# Altium PCB LoRaBoard1_2.PcbDoc (part 2 of 2)
Units mm, origin at the board's own origin, x right, y up, seen from the top; angles counter-clockwise.
Board outline 66.5 x 92 mm, 2 copper layers (Top Layer, Bottom Layer), stack 1.56 mm thick; 125 components, 104 nets, 452 pads, 339 vias.
Unrouted connection lines stored in the file: 86.
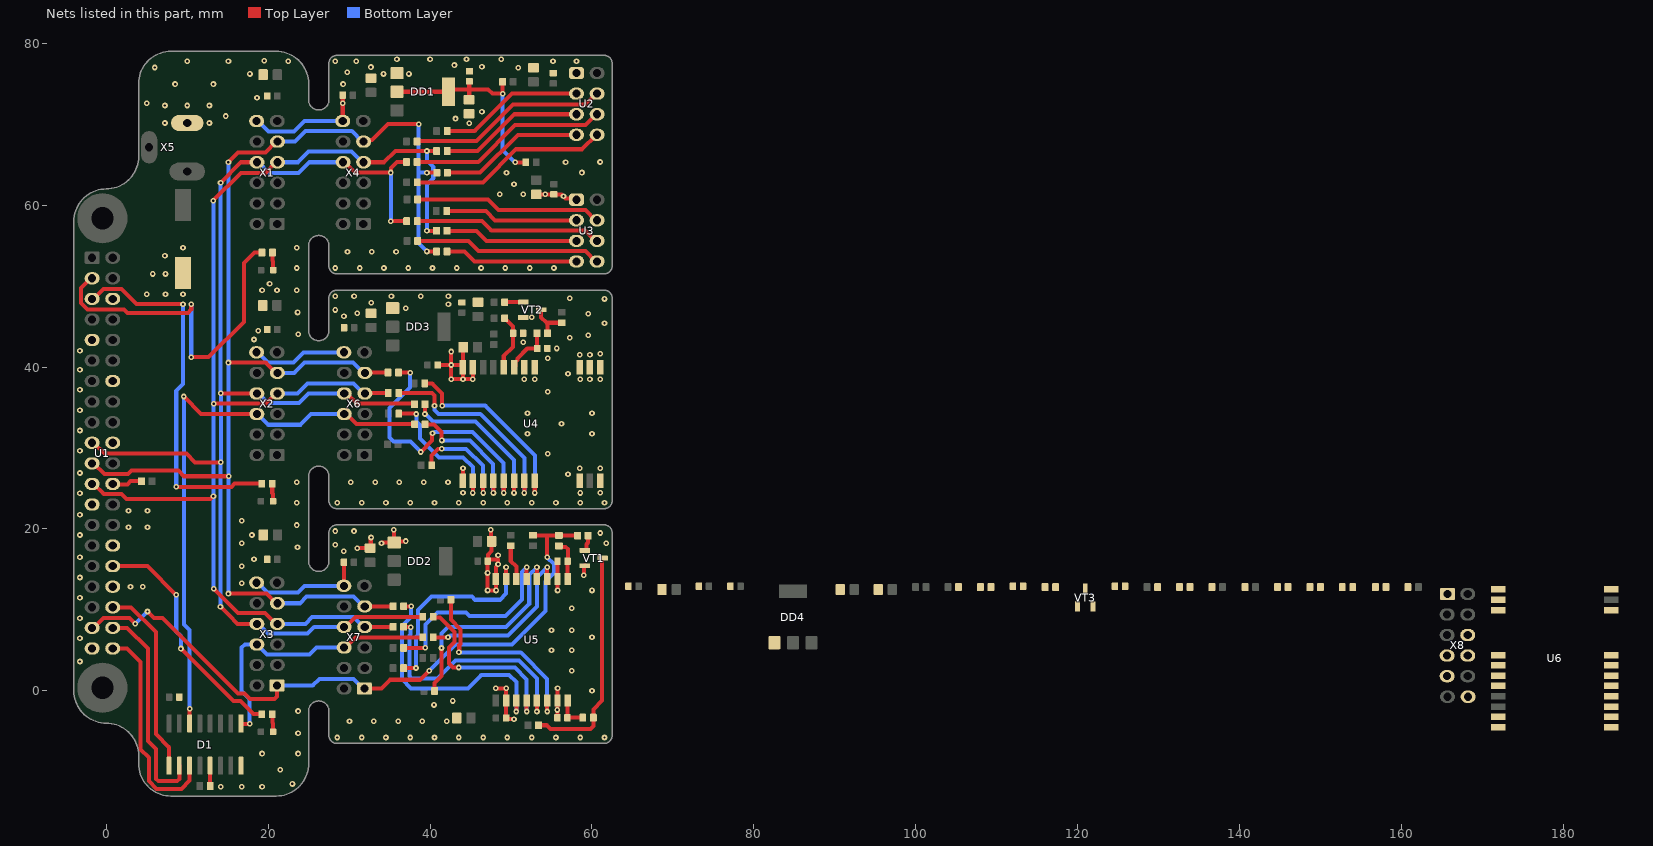
[diagram p2: the nets of this part, all layers, seen from the top]

## Via types
v1: diameter 0.7, hole 0.3, Top Layer to Bottom Layer, tented both sides, 339 vias

## Nets (pads, with @x,y where several pads share a name; then routed paths per layer and width w, separated by ;. In a path a pad name is that pad's centre, name@x,y a point inside that pad or via, vN(x,y) a via of type N, cw(c..) or ccw(c..) an arc to the next point about the centre after c; other vN are vias at no path point) (continued)
EN_TX_4: R38.1 R41.1 R42.2 U1.37 X3.1 X7.1 | length 83.8
  Top Layer w0.5: U1.37@-1.74,7.78 -1.565,7.78 -0.365,8.98 2.866,8.98 3.546,8.3 v1(3.6,8.3) ; v1(5.1,9.8) 5.9,9 6.954,9 16.297,-0.342 17.052,-0.342 17.738,-1.028 20.761,-1.028 21.11,-0.679 X3.1@21.11,0.657 ; X7.1@31.891,0.273 33.977,0.273 35.071,1.367 38.783,1.367 v1(39.916,2.5) ; R42.2@52.716,19.223 52.728,19.211 54.471,19.211 ; v1(54.471,16.5) 54.471,19.211 ; R38.1@58.216,19.173 58.203,19.186 55.928,19.186 R41.1@55.916,19.198 55.903,19.211 54.471,19.211
  Bottom Layer w0.5: v1(3.6,8.3) v1(5.1,9.8) ; X3.1@21.11,0.657 25.507,0.657 26.323,1.473 30.516,1.473 31.716,0.273 X7.1@31.891,0.273 ; v1(39.916,2.5) 43.153,5.737 50.135,5.737 54.25,9.852 54.25,13.5 55.314,14.564 55.314,15.656 v1(54.471,16.5)
EN_TX_5: R57.1 R58.1 R59.2
GND: C1.1 C2.1 C3.1 C4.1 C6.1 C7.1 C8.1 C9.1 C10.1 C11.1 C12.1 C13.1 C14.2 C15.1 C16.1 C17.1 C18.1 C19.2 C20.1 C21.2 C22.1 C23.1 C24.1 C25.1 C26.1 C27.1 C28.1 C29.1 C30.1 C31.1 C32.1 C33.1 C34.1 C35.2 C36.1 C37.1 C38.1 C39.1 C40.1 C41.1 D1.5 D1.8 DD1.1 DD2.1 DD3.1 DD4.1 R19.2 U1.6 U1.9 U1.14 U1.20 U1.25 U1.30 U1.34 U1.39 U2.1 U3.1 U4.1 U4.2 U4.3 U4.4 U4.5 U4.10 U4.11 U4.12 U4.20 U4.22 U5.2 U5.7 U5.10 U5.16 U6.1 U6.2 U6.3 U6.4 U6.5 U6.10 U6.11 U6.12 U6.20 U6.22 VT1.2 VT2.2 VT3.2 X1.12 X2.12 X3.12 X4.12 X5.2 X6.12 X7.12 X8.12 | length 101.6
  Top Layer w0.5: R19.2@12.8,-11.6 12.844,-11.556 12.844,-9.249 D1.5@12.837,-9.242 ; X4.12@29.213,70.376 v1(29.213,72.6) C9.1@29.213,73.576 ; X7.12@29.351,12.973 C24.1@29.351,15.883 ; v1(31,17.631) 31.003,17.628 32.597,17.628 C25.1@32.6,17.625 32.673,17.698 32.673,18.9 v1(32.711,18.938) ; v1(34,18.25) 34.054,18.25 34.127,18.323 DD2.1@35.568,18.323 ; v1(35.5,19.908) 35.5,19.854 35.568,19.786 DD2.1@35.568,18.323 ; v1(37,18.5) 36.962,18.462 35.707,18.462 DD2.1@35.568,18.323 ; C32.1@40.927,40.25 v1(42.601,40.25) ; v1(42.601,41.912) v1(42.601,40.25) ; U4.12@44.022,25.969 44.044,25.991 44.044,27.478 v1(44.066,27.5) ; C29.1@44.102,42.444 44.062,42.404 44.062,40.009 U4.11@44.022,39.969 ; U4.10@45.292,39.969 v1(45.292,38.494) v1(44.066,38.494) ; v1(47.5,19.908) 47.538,19.87 47.538,18.525 C23.1@47.605,18.458 47.605,17.283 47.13,16.807 C26.1@47.13,16.053 ; v1(48.118,0.311) v1(49.394,0.311) 49.393,0.31 49.393,-1.175 U5.2@49.391,-1.177 C27.1@49.391,-3.352 49.501,-3.462 50.334,-3.462 v1(50.372,-3.5) ; C3.1@53.113,61.326 C4.1@55.343,61.326 ; C4.1@55.294,61.327 56.237,61.327 56.735,60.829 57.926,60.829 U3.1@58.089,60.666 ; C18.1@55.717,-3.326 v1(55.717,-2.362) 55.729,-2.35 55.729,-1.189 U5.7@55.741,-1.177 55.745,-1.172 55.745,0.307 v1(55.75,0.311) ; C19.2@55.741,15.998 U5.10@55.741,13.823 55.745,13.819 55.745,12.403 v1(55.75,12.398) ; v1(59,14.297) 59.038,14.336 59.038,15.398 59.088,15.448 VT1.2@59.116,15.448 ; v1(42.601,40.25) 43.872,40.25 44.022,40.1 U4.11@44.022,39.969 ; v1(42.601,40.25) v1(42.601,38.494) v1(44.066,38.494) ; U4.11@44.022,39.969 44.044,39.947 44.044,38.516 v1(44.066,38.494) ; C26.1@47.13,16.053 47.28,16.203 48.402,16.203 v1(48.402,15.656) 48.402,15.602 48.118,15.318 48.118,13.827 U5.16@48.121,13.823 48.136,13.808 48.136,12.414 v1(48.152,12.398) v1(47.102,12.398) v1(47.102,14.564) 47.116,14.578 47.116,16.009 C26.1@47.13,16.023 C26.1@47.13,16.053
  Bottom Layer w0.5: X2.12@18.568,41.819 18.743,41.819 20.011,40.552 23.12,40.552 24.387,41.819 X6.12@29.362,41.819 ; X3.12@18.57,13.357 18.745,13.357 19.945,12.157 23.692,12.157 24.508,12.973 X7.12@29.351,12.973 ; X1.12@18.58,70.376 18.755,70.376 20.055,69.076 23.199,69.076 24.5,70.376 X4.12@29.213,70.376
  other v1: 14.132,-11.828 16.728,-11.828 19.25,-11.828 23,-11.5 21.5,-9.75 19.25,-7.75 23.692,-7.75 28.552,-5.766 31.552,-5.766 34.552,-5.766 37.552,-5.766 40.552,-5.766 43.552,-5.766 46.552,-5.766 49.552,-5.766 52.552,-5.766 55.552,-5.766 58.552,-5.766 61.552,-5.766 23.692,-5.25 30.052,-3.766 33.052,-3.766 36.052,-3.766 39.052,-3.766 42.052,-3.766 23.692,-2.5 40.491,-1.744 42.823,-1.25 60,0 57.5,2.5 -3.25,3.626 55,5 57.5,5 -3.25,6.5 60,6.605 55,7.5 57.5,7.5 -3.25,8.953 57.5,10.191 -3.25,11.5 60,12.398 3,12.86 4.5,12.86 16.728,13.273 -3.25,14 16.728,15.4 18.25,16.25 -3.25,16.5 48.402,16.75 29.351,17.25 23.627,17.742 28.291,18.031 16.728,18.25 61.75,18.25 -3.25,19.25 18,19.25 61.022,19.5 28.291,19.738 30.602,19.738 2.75,20.207 5.1,20.207 23.522,20.48 16.728,21 -3.25,21.75 2.75,22.25 5.1,22.25 23.522,23.234 28.552,23.234 31.552,23.234 34.552,23.234 37.552,23.234 40.552,23.234 43.552,23.234 46.552,23.234 49.552,23.234 52.552,23.234 55.552,23.234 58.552,23.234 61.552,23.234 -3.25,24.412 58.552,24.444 44.066,24.464 61.022,24.464 23.522,25.75 30.213,25.75 33.213,25.75 36.213,25.75 39.213,25.75 42.213,25.75 57.039,26.772 -3.25,26.912 58.482,27.5 61.022,27.5 54.539,29.272 -3.25,29.662 52.039,31.772 60,31.772 -3.25,32.162 56.239,32.984 52.039,34.272 60,34.272 -3.25,34.662 54.539,36.963 -3.25,37.209 51.642,38.494 52.932,38.494 58.552,38.494 59.752,38.494 61.022,38.494 57.039,39.17 -3.25,39.662 54.539,41.103 58.482,41.508 59.752,41.534 61.022,41.618 -3.25,42 55.646,42.294 51.514,43.059 18.25,43.396 57.25,43.625 59.552,43.91 23.698,44.03 18.795,44.5 61.552,45.41 52.552,46.158 29.362,46.269 59.552,46.6 31.011,46.65 23.633,46.742 28.302,47.05 37.008,47.269 42.271,47.763 32.722,47.957 61.552,48.41 57.25,48.5 28.302,48.757 30.613,48.757 35.227,48.757 38.852,48.757 42.271,48.757 5,49 7.318,49 9.483,49 19.25,49.48 23.528,49.48 21.094,49.5 20.174,50.279 5.75,51.5 7.318,51.5 23.528,52.234 28.302,52.234 31.302,52.234 34.302,52.234 37.302,52.234 40.302,52.234 43.302,52.234 46.302,52.234 49.302,52.234 52.302,52.234 55.302,52.234 7.25,53.75 29.802,54.234 32.802,54.234 35.802,54.234 9.483,54.75 23.528,54.75 56.486,61.078 48.623,61.326 51.502,61.326 54.228,61.326 50.372,62.577 49.442,64.001 58.759,64.021 56.735,65.276 61,65.326 44.843,70.114 7.25,70.143 12.75,70.143 43.145,70.689 14.75,71 46.411,71.551 7.25,72.302 10.004,72.302 12.75,72.302 5,72.6 18.62,73.25 8.5,74.95 13.241,74.95 29.253,74.95 17.75,76.2 34.25,76.2 37.388,76.2 29.778,76.4 50.88,76.976 6,77 32.7,77.05 46.411,77.082 43.014,77.3 10.004,77.75 15.097,77.75 22.5,77.75 28.302,77.75 30.9,77.75 55.185,77.75 58.091,77.75 19.5,77.828 35.909,78 40,78 44.498,78 48.813,78
LED_1: R7.1 U1.3 | length 43.6
  Top Layer w0.5: U1.3@-1.74,50.96 -1.915,50.96 -3.115,49.76 -3.115,47.923 -2.292,47.1 2.2,47.1 2.6,46.7 10.1,46.7 10.499,47.099 v1(10.499,47.765) ; v1(10.499,41.212) 12.658,41.212 17.002,45.555 17.002,52.822 18.338,54.158 19.205,54.158 R7.1@19.22,54.143
  Bottom Layer w0.5: v1(10.499,41.212) v1(10.499,47.765)
LED_2: R10.1 U1.5 | length 46.2
  Top Layer w0.5: U1.5@-1.74,48.42 -1.565,48.42 -0.365,49.62 1.88,49.62 3.735,47.765 v1(9.483,47.765) ; v1(8.645,25.19) 8.66,25.175 15.452,25.175 15.863,25.586 R10.1@19.208,25.586
  Bottom Layer w0.5: v1(8.645,25.19) 8.645,37.046 9.483,37.885 v1(9.483,47.765)
LED_3: R15.1 U1.32 | length 29.5
  Top Layer w0.5: U1.32@0.8,15.4 5.095,15.4 v1(8.645,11.85) ; v1(9.229,5.22) 15.732,-1.282 16.595,-1.282 18.19,-2.877 R15.1@19.21,-2.877
  Bottom Layer w0.5: v1(8.645,11.85) 8.645,7.328 9.229,6.744 v1(9.229,5.22)
MISO: R2.2 R9.2 R21.1 R32.2 U1.21 X1.9 X2.9 X3.9 X4.9 X6.9 X7.9 | length 160.4
  Top Layer w0.5: U1.21@-1.74,28.1 -1.565,28.1 -0.225,26.76 2.66,26.76 3.1,27.2 8.9,27.2 9.595,26.505 v1(15.147,26.505) ; v1(15.097,12.017) 19.775,12.017 20.975,10.817 X3.9@21.15,10.817 ; v1(15.097,40.552) 19.701,40.552 20.973,39.279 X2.9@21.148,39.279 ; v1(15.097,65.296) 16.297,66.496 19.645,66.496 20.985,67.836 X1.9@21.16,67.836 ; X4.9@31.793,67.836 31.984,68.028 32.828,68.028 34.8,70 v1(38.6,70) ; X7.9@31.931,10.433 R21.1@35.441,10.433 ; X6.9@31.942,39.279 31.967,39.304 34.779,39.304 R32.2@34.804,39.329 ; v1(39.613,54.276) R9.2@40.798,54.276 ; v1(39.613,64.001) R2.2@40.838,64.001
  Bottom Layer w0.5: v1(15.097,12.017) 15.122,12.042 15.122,26.48 v1(15.147,26.505) 15.122,26.531 15.122,40.526 v1(15.097,40.552) v1(15.097,65.296) ; X2.9@21.148,39.279 23.222,39.279 24.495,40.552 30.494,40.552 31.767,39.279 X6.9@31.942,39.279 ; X3.9@21.15,10.817 23.917,10.817 24.733,11.633 30.556,11.633 31.756,10.433 X7.9@31.931,10.433 ; X1.9@21.16,67.836 23.331,67.836 24.622,69.127 30.327,69.127 31.618,67.836 X4.9@31.793,67.836 ; v1(38.6,70) 38.563,69.963 38.563,64.001 ; v1(39.613,54.276) 38.563,55.326 38.563,64.001 ; v1(39.613,64.001) 38.563,64.001
MISO_5: R51.2 X8.9
MOSI: R4.2 R12.2 R23.1 R31.2 U1.19 X1.8 X2.8 X3.8 X4.8 X6.8 X7.8 | length 156.5
  Top Layer w0.5: U1.19@-1.74,30.64 -1.565,30.64 -0.225,29.3 9.9,29.3 10.967,28.233 v1(14.157,28.233) ; v1(14.107,10.407) 15.15,9.364 16.237,8.277 X3.8@18.61,8.277 ; v1(14.121,62.756) 16.661,65.296 X1.8@18.62,65.296 ; v1(14.157,36.739) X2.8@18.608,36.739 ; X4.8@29.253,65.296 29.438,65.296 30.713,64.021 v1(35.163,64.021) 35.163,64.58 35.909,65.326 R4.2@37.088,65.326 ; X7.8@29.391,7.893 29.566,7.893 30.816,9.143 R23.1@39.091,9.143 R23.1@39.141,9.143 ; X6.8@29.402,36.739 29.677,36.739 30.947,35.469 37.998,35.469 R31.2@38.068,35.399 ; v1(35.163,58.026) R12.2@37.113,58.026
  Bottom Layer w0.5: v1(14.107,10.407) 14.132,10.432 14.132,28.208 v1(14.157,28.233) v1(14.157,36.739) 14.139,36.757 14.139,62.738 v1(14.121,62.756) ; X2.8@18.608,36.739 18.783,36.739 19.983,35.539 23.8,35.539 25,36.739 X6.8@29.402,36.739 ; X3.8@18.61,8.277 18.785,8.277 19.985,7.077 24.877,7.077 25.693,7.893 X7.8@29.391,7.893 ; X1.8@18.62,65.296 18.795,65.296 20.124,63.967 23.755,63.967 25.084,65.296 X4.8@29.253,65.296 ; v1(35.163,58.026) v1(35.163,64.021)
MOSI_5: R50.2 X8.8
N\R\S\T\_\3\: D1.14 R33.2 X2.6 X6.6 | length 71.7
  Top Layer w0.5: v1(9.585,36.361) 11.723,34.223 18.585,34.223 X2.6@18.608,34.199 ; D1.14@10.297,-4.042 v1(10.297,-2.2) ; X6.6@29.402,34.199 29.677,34.199 30.892,32.984 38.033,32.984 R33.2@38.093,32.924
  Bottom Layer w0.5: v1(9.585,36.361) 9.585,8.217 10.297,7.505 v1(10.297,-2.2) ; X2.6@18.608,34.199 18.681,34.199 20.011,32.869 23.975,32.869 25.305,34.199 X6.6@29.402,34.199
N\R\S\T\_\4\: D1.9 R30.2 X3.6 X7.6 | length 34.9
  Top Layer w0.5: D1.9@16.647,-4.042 16.681,-4.076 v1(17.713,-4.076) ; X7.6@29.391,5.353 29.566,5.353 30.816,6.603 R30.2@39.091,6.603 R30.2@39.116,6.603
  Bottom Layer w0.5: v1(17.713,-4.076) 17.713,-1.003 16.728,-0.018 16.728,5.348 17.117,5.737 X3.6@18.61,5.737 19.863,4.484 25.109,4.484 25.978,5.353 X7.6@29.391,5.353
N\R\S\T\_\5\: R52.2 X8.6
NetC7_2: C7.2 C8.2 DD1.2 DD1.4 R16.1 R17.1 | length 27.5
  Top Layer w0.5: DD1.2@35.921,74.001 DD1.4@42.271,74.001 42.571,74.301 44.843,74.301 ; C7.2@44.818,73.026 44.843,73.051 44.843,74.301 ; C8.2@44.868,75.276 44.843,75.251 44.843,74.301 ; R16.1@48.963,75.226 v1(48.963,73.765) 47.704,73.765 47.168,74.301 44.843,74.301 ; v1(50.515,65.276) R17.1@51.813,65.276
  Bottom Layer w0.5: v1(48.963,73.765) 48.963,66.828 v1(50.515,65.276)
NetR1_1: R1.1 U2.8 | length 24.7
  Top Layer w0.5: R1.1@38.413,62.826 38.422,62.817 46.558,62.817 50.642,66.901 58.759,66.901 60.544,68.685 U2.8@60.631,68.685
NetR2_1: R2.1 U2.7 | length 17.9
  Top Layer w0.5: R2.1@42.138,64.001 46.196,64.001 50.88,68.685 U2.7@58.091,68.685
NetR3_2: R3.2 U2.3 | length 17.9
  Top Layer w0.5: R3.2@42.118,69.151 45.518,69.151 50.132,73.765 U2.3@58.091,73.765
NetR4_1: R4.1 U2.6 | length 24.7
  Top Layer w0.5: R4.1@38.388,65.326 45.956,65.326 50.515,69.885 59.204,69.885 60.544,71.225 U2.6@60.631,71.225
NetR5_2: R5.2 U2.4 | length 24.7
  Top Layer w0.5: R5.2@38.388,67.851 38.463,67.926 45.742,67.926 50.242,72.425 59.204,72.425 60.544,73.765 U2.4@60.631,73.765
NetR6_1: R6.1 U2.5 | length 17.9
  Top Layer w0.5: R6.1@42.118,66.681 45.872,66.681 50.417,71.225 U2.5@58.091,71.225
NetR7_2: R7.2 VD1.2 | length 2.2
  Top Layer w0.5: R7.2@20.52,54.143 20.52,53.13 20.62,53.03 VD1.2@20.62,51.978
NetR8_1: R8.1 U3.8 | length 23.2
  Top Layer w0.5: R8.1@38.463,55.576 44.738,55.576 45.988,54.326 59.174,54.326 60.454,53.046 U3.8@60.629,53.046
NetR9_1: R9.1 U3.7 | length 16.5
  Top Layer w0.5: R9.1@42.098,54.276 44.273,54.276 45.503,53.046 U3.7@58.089,53.046
NetR10_2: R10.2 VD2.2 | length 2.3
  Top Layer w0.5: VD2.2@20.558,23.471 VD2.2@20.608,23.421 20.608,24.344 20.508,24.444 R10.2@20.508,25.586 R10.2@20.558,25.536
NetR11_2: R11.2 U3.3 | length 16.5
  Top Layer w0.5: R11.2@42.063,59.276 46.898,59.276 48.048,58.126 U3.3@58.089,58.126
NetR12_1: R12.1 U3.6 | length 23.2
  Top Layer w0.5: R12.1@38.413,58.026 46.411,58.026 47.561,56.876 59.164,56.876 60.454,55.586 U3.6@60.629,55.586
NetR13_2: R13.2 U3.4 | length 23.2
  Top Layer w0.5: R13.2@38.463,60.701 47.168,60.701 48.468,59.401 59.179,59.401 60.454,58.126 U3.4@60.629,58.126
NetR14_1: R14.1 U3.5 | length 16.5
  Top Layer w0.5: R14.1@42.093,56.826 45.712,56.826 46.952,55.586 U3.5@58.089,55.586
NetR15_2: R15.2 VD3.2 | length 2.2
  Top Layer w0.5: R15.2@20.51,-2.877 20.51,-3.942 20.61,-4.042 VD3.2@20.61,-5.041
NetR20_1: R20.1 U5.15 | length 25.5
  Top Layer w0.5: R20.1@36.741,2.813 36.746,2.818 38.261,2.818 v1(38.266,2.823) ; U5.15@49.391,13.823 v1(49.391,15.248)
  Bottom Layer w0.5: v1(38.266,2.823) 38.266,6.673 38.516,6.923 38.516,9.962 40.187,11.633 45.184,11.633 45.567,11.25 48.641,11.25 49.391,12 v1(49.391,15.248)
NetR21_2: R21.2 U5.3 | length 31.1
  Top Layer w0.5: R21.2@36.741,10.433 v1(37.666,10.433) ; U5.3@50.661,-1.177 50.663,-1.179 50.663,-2.549 v1(50.666,-2.552)
  Bottom Layer w0.5: v1(37.666,10.433) 37.666,9.148 36.516,7.998 36.516,1.458 37.663,0.311 44.664,0.311 46.325,1.973 49.777,1.973 50.666,1.084 v1(50.666,-2.552)
NetR22_1: R22.1 U5.14 | length 4.4
  Top Layer w0.5: R22.1@49.966,17.923 49.966,16.048 50.661,15.353 U5.14@50.661,13.823
NetR23_2: R23.2 U5.4 | length 23.3
  Top Layer w0.5: R23.2@40.391,9.143 40.481,9.053 41.211,9.053 43.014,7.251 43.014,6.039 42.348,5.373 42.348,3.356 42.823,2.881 v1(43.552,2.881) ; v1(51.931,-2.552) U5.4@51.931,-1.177
  Bottom Layer w0.5: v1(43.552,2.881) 50.467,2.881 51.931,1.417 v1(51.931,-2.552)
NetR24_1: R24.1 U5.13 | length 24.8
  Top Layer w0.5: R24.1@36.741,5.298 36.755,5.312 39.402,5.312 v1(39.416,5.326) ; U5.13@51.931,13.823 51.936,13.828 51.936,15.243 v1(51.941,15.248)
  Bottom Layer w0.5: v1(39.416,5.326) 39.416,8.184 40.935,9.703 44.445,9.703 44.898,9.25 49.317,9.25 51.373,11.306 51.373,14.68 v1(51.941,15.248)
NetR25_1: R25.1 U4.19 | length 24.4
  Top Layer w0.5: R25.1@39.343,37.974 40.268,37.974 41.5,36.742 v1(41.5,35.228) ; U4.19@52.912,25.969 52.932,25.949 52.932,24.464 v1(52.952,24.444)
  Bottom Layer w0.5: v1(41.5,35.228) 46.816,35.228 52.952,29.092 v1(52.952,24.444)
NetR26_2: R26.2 U5.5 | length 30.2
  Top Layer w0.5: R26.2@36.741,7.898 36.753,7.886 37.603,7.886 v1(37.616,7.873) ; v1(53.201,-2.552) U5.5@53.201,-1.177
  Bottom Layer w0.5: v1(37.616,7.873) 37.578,7.835 37.578,6.975 37.441,6.838 37.441,1.832 37.734,1.54 40.94,1.54 43.15,3.75 50.99,3.75 53.201,1.54 v1(53.201,-2.552)
NetR27_1: R27.1 U5.12 | length 26.1
  Top Layer w0.5: R27.1@40.566,-0.018 40.566,0.983 41.388,1.805 41.388,5.263 v1(41.414,5.289) ; U5.12@53.201,13.823 v1(53.201,15.248)
  Bottom Layer w0.5: v1(41.414,5.289) 41.414,7.087 42.22,7.893 49.394,7.893 52.25,10.749 52.25,14.297 v1(53.201,15.248)
NetR28_1: R28.1 U4.18 | length 25.7
  Top Layer w0.5: R28.1@36.129,36.789 40.259,36.789 40.552,36.496 v1(40.552,35.231) ; v1(51.642,24.444) U4.18@51.642,25.969
  Bottom Layer w0.5: v1(40.552,35.231) 40.554,35.228 40.554,34.677 41.032,34.199 46.203,34.199 51.642,28.76 v1(51.642,24.444)
NetR29_2: R29.2 U5.6 | length 24.8
  Top Layer w0.5: R29.2@42.568,11.248 42.568,8.786 43.775,7.58 43.775,5.81 43.606,5.641 43.606,4.788 v1(43.568,4.75) ; v1(54.471,-2.552) U5.6@54.471,-1.177
  Bottom Layer w0.5: v1(43.568,4.75) 51.204,4.75 54.471,1.483 v1(54.471,-2.552)
NetR30_1: R30.1 U5.11 | length 21.2
  Top Layer w0.5: R30.1@40.391,6.603 v1@42.213,6.604 ; U5.11@54.471,13.823 v1(54.471,15.248)
  Bottom Layer w0.5: v1(42.214,6.605) 42.268,6.605 42.501,6.838 49.645,6.838 53.201,10.394 53.201,13.978 v1(54.471,15.248)
NetR31_1: R31.1 U4.17 | length 20.1
  Top Layer w0.5: v1@39.369,34.197 R31.1@39.369,35.398 ; v1(50.372,24.444) U4.17@50.372,25.969
  Bottom Layer w0.5: v1(39.37,34.196) 39.412,34.196 40.345,33.263 45.598,33.263 50.372,28.489 v1(50.372,24.444)
NetR32_1: R32.1 U4.16 | length 33.7
  Top Layer w0.5: R32.1@36.104,39.329 36.129,39.304 37.527,39.304 v1(37.552,39.279) ; v1(38.852,29.5) 40.264,30.912 40.264,31.781 v1(40.302,31.819) ; v1(49.102,24.444) U4.16@49.102,25.969
  Bottom Layer w0.5: v1(37.552,39.279) 37.517,39.245 37.517,37.452 35,34.935 35,31.294 35.5,30.794 37.558,30.794 v1(38.852,29.5) ; v1(40.302,31.819) 40.356,31.819 40.537,32 45.224,32 49.064,28.161 49.064,24.483 v1(49.102,24.444)
NetR33_1: R33.1 U4.15 | length 16.2
  Top Layer w0.5: R33.1@39.393,32.924 40.497,32.924 41.427,31.994 41.427,30.967 v1(41.465,30.928) ; v1(47.832,24.444) U4.15@47.832,25.969
  Bottom Layer w0.5: v1(41.465,30.928) 43.123,30.928 44.909,30.928 47.794,28.044 47.794,24.483 v1(47.832,24.444)
NetR34_1: R34.1 U4.14 | length 13.7
  Top Layer w0.5: R34.1@40.202,27.869 40.202,29.094 40.965,29.858 41.401,29.858 v1(41.439,29.896) ; v1(46.562,24.444) U4.14@46.562,25.969
  Bottom Layer w0.5: v1(41.439,29.896) 44.45,29.896 46.524,27.822 46.524,24.483 v1(46.562,24.444)
NetR35_2: R35.2 R36.1 VT1.3 | length 28.3
  Top Layer w0.5: R35.2@53.4,-4.25 54.412,-4.25 54.889,-4.727 59.791,-4.727 60.166,-4.352 R36.1@60.166,-3.304 60.166,-2.302 61.266,-1.202 61.266,16.348 VT1.3@61.316,16.398
NetR37_1: R37.1 U4.13 | length 18.2
  Top Layer w0.5: R37.1@36.129,34.249 36.281,34.249 36.304,34.272 38.187,34.272 38.259,34.199 v1(38.313,34.199) ; v1(45.292,24.444) U4.13@45.292,25.969
  Bottom Layer w0.5: v1(38.313,34.199) 38.313,33.263 38.75,32.826 38.75,31.165 41.086,28.829 44.084,28.829 45.292,27.622 v1(45.292,24.444)
NetR38_2: R38.2 VT1.1 | length 2.1
  Top Layer w0.5: VT1.1@59.116,17.348 59.248,17.348 59.298,17.398 59.298,18.105 59.485,18.293 59.485,19.143 R38.2@59.516,19.173
NetR39_2: R39.2 R40.1 VT2.3 | length 5.1
  Top Layer w0.5: VT2.3@53.727,47.069 53.727,46.119 54.377,45.469 ; R40.1@54.502,44.169 54.502,45.344 54.377,45.469 ; R39.2@56.256,45.469 54.377,45.469
NetR43_2: R43.2 VT2.1 | length 2.3
  Top Layer w0.5: R43.2@49.217,47.994 49.229,48.007 51.514,48.007 VT2.1@51.527,48.019
NetR48_1: R48.1 U6.19
NetR49_1: R49.1 U6.18
NetR50_1: R50.1 U6.17
NetR51_1: R51.1 U6.16
NetR52_1: R52.1 U6.15
NetR53_1: R53.1 U6.14
NetR54_1: R54.1 U6.13
NetR55_2: R55.2 R56.1 VT3.3
NetR57_2: R57.2 VT3.1
RX_EN_3: C20.2 R40.2 U4.6 | length 6.1
  Top Layer w0.5: U4.6@50.372,39.969 50.522,40.119 50.522,40.619 50.792,40.889 50.792,41.056 52.005,42.269 53.227,42.269 C20.2@53.252,42.294 53.227,42.319 53.227,44.144 R40.2@53.202,44.169
RX_EN_4: C18.2 R36.2 U5.8 | length 4.1
  Top Layer w0.5: C18.2@56.966,-3.377 57.027,-3.316 58.855,-3.316 R36.2@58.866,-3.304 ; U5.8@57.011,-1.177 56.988,-1.199 C18.2@56.988,-3.304 ; C18.2@56.988,-3.304 C18.2@56.966,-3.327 C18.2@56.988,-3.304
RX_EN_5: C34.2 R56.2 U6.6
SCLK: R6.2 R14.2 R26.1 R28.2 U1.23 X1.7 X2.7 X3.7 X4.7 X6.7 X7.7 | length 154.7
  Top Layer w0.5: U1.23@-1.74,25.56 -1.565,25.56 -0.305,24.3 1.9,24.3 2.5,23.7 12.871,23.7 13.187,24.016 v1(13.241,24.016) ; v1(13.217,60.541) 16.632,63.956 19.645,63.956 20.985,65.296 X1.7@21.16,65.296 ; v1(13.266,35.477) 19.711,35.477 20.973,36.739 X2.7@21.148,36.739 ; v1(13.288,12.599) 13.314,12.599 16.297,9.617 19.635,9.617 20.975,8.277 X3.7@21.15,8.277 ; X4.7@31.793,65.296 34.333,65.296 35.718,66.681 v1(39.613,66.681) R6.2@40.818,66.681 ; X7.7@31.931,7.893 31.933,7.896 35.463,7.896 R26.1@35.466,7.898 ; X6.7@31.942,36.739 31.967,36.764 34.804,36.764 R28.2@34.829,36.789 ; v1(39.613,56.826) R14.2@40.793,56.826
  Bottom Layer w0.5: v1(13.217,60.541) 13.241,60.517 13.241,35.502 v1(13.266,35.477) 13.254,35.465 13.254,24.028 v1(13.241,24.016) 13.265,23.993 13.265,12.623 v1(13.288,12.599) ; X2.7@21.148,36.739 23.627,36.739 24.874,37.986 30.52,37.986 31.767,36.739 X6.7@31.942,36.739 ; X3.7@21.15,8.277 24.602,8.277 25.419,9.093 30.556,9.093 31.756,7.893 X7.7@31.931,7.893 ; X1.7@21.16,65.296 23.661,65.296 24.961,66.596 30.318,66.596 31.618,65.296 X4.7@31.793,65.296 ; v1(39.613,56.826) 39.613,62.537 40.395,63.319 40.395,63.652 40.413,63.67 40.413,64.332 40.395,64.35 40.395,64.707 39.613,65.489 v1(39.613,66.681)
SCLK_5: R49.2 X8.7
SPI_CE0: R18.2 U1.24 | length 3.7
  Top Layer w0.5: U1.24@0.8,25.56 0.86,25.5 2.6,25.5 3,25.9 R18.2@4.35,25.9
SS1: D1.1 U1.36 | length 23.8
  Top Layer w0.5: U1.36@0.8,10.32 3.08,10.32 6.146,7.254 6.146,-5.359 7.757,-6.97 D1.1@7.757,-9.242
SS2: D1.2 U1.38 | length 26.7
  Top Layer w0.5: U1.38@0.8,7.78 2.575,7.78 5.148,5.207 5.148,-6.193 6.146,-7.19 6.146,-10.87 6.439,-11.163 8.734,-11.163 9.027,-10.87 D1.2@9.027,-9.242
SS4: D1.3 U1.40 | length 27
  Top Layer w0.5: U1.40@0.8,5.24 2.575,5.24 4.251,3.564 4.251,-7.251 5.265,-8.265 5.265,-11.16 6.207,-12.103 9.286,-12.103 10.297,-11.092 D1.3@10.297,-9.242
TX_EN_3: C21.1 R45.2 U4.7 | length 7
  Top Layer w0.5: U4.7@49.102,39.969 49.102,41.344 50.252,42.494 C21.1@50.252,44.169 50.227,44.194 50.227,45.009 49.442,45.794 49.392,45.794 49.217,45.969 R45.2@49.217,46.019
TX_EN_4: C19.1 R41.2 U5.9 | length 5
  Top Layer w0.5: R41.2@55.916,17.898 56.02,17.794 56.723,17.794 57.016,17.502 57.016,16.198 56.991,16.173 C19.1@56.991,15.998 57.001,15.988 57.001,13.833 U5.9@57.011,13.823
TX_EN_5: C35.1 R58.2 U6.7 X8.1
pads on no net: D1.7 D1.15 U1.1 U1.26 U1.27 U1.28 U1.S1 U1.S2 U4.21 U6.21 X4.3 X5.3 X6.3 X8.3
copper on no net:
  other v1: 9,0.657 9,2.5 23.692,15.03 -3.25,44.75 -3.25,52 -3.25,55.25

## Polygon pours and split planes (outlines as drawn)
3V3_3 on Top Layer "3V3_3_L01_P008" (solid, remove dead copper, pour order 8): 34.5,44 34.3,44.2 34.3,45.9 34.5,46.1 36.8,46.1 37.9,47.2 44.8,47.2 45.1,46.9 46.9,46.9 47.2,46.6 47.2,39 47,38.8 46.2,38.8 46,39 46,40.9 45.7,41.2 45.3,41.2 45.1,41.4 45.1,43.5 44.743,43.857 43.2,43.857 43.2,43.1 42.7,42.6 38.3,42.6 36.9,44
5V0 on Top Layer "5V0_L01_P012" (solid, remove dead copper, pour order 12): 20.552,19.873 21.052,20.373 21.817,20.373 22.252,19.937 22.617,19.573 22.617,12.617 21.999,12 20.589,12 19.917,12.673 19.917,14.718 20.672,15.473 20.672,18.249 20.572,18.349
5V0 on Top Layer "5V0_L01_P011" (solid, remove dead copper, pour order 11): 20.5,48.257 21,48.757 21.765,48.757 22.2,48.322 22.565,47.957 22.565,41.157 21.907,40.5 20.422,40.5 19.865,41.057 19.865,43.102 20.62,43.857 20.62,46.634 20.52,46.734
5V0 on Top Layer "5V0_L01_P010" (solid, remove dead copper, pour order 10): 20.535,76.8 21.035,77.3 21.8,77.3 22.235,76.865 22.6,76.5 22.6,69.7 22,69.1 20.4,69.1 19.9,69.6 19.9,71.645 20.655,72.4 20.655,75.176 20.555,75.276
5V0 on Top Layer "5V0_L01_P003" (solid, remove dead copper, pour order 3): 4.95,51.65 5,51.7 5,54.1 6.4,55.5 8.75,55.45 11.4,58.1 11.4,62.3 13,63.9 13,66.6 11.9,67.7 8.9,67.7 7.2,66 7.2,65.2 3.6,61.6 3.6,57.2 1.4,55 0.6,55 -0.3,54.1 -0.3,50.8 0.4,50.1 3.4,50.1
3V3_4 on Top Layer "3V3_4_L01_P009" (solid, remove dead copper, pour order 9): 34.7,15 34.4,15.3 34.4,16.8 34.7,17.1 37,17.1 39.8,19.9 46,19.9 46.5,19.4 46.5,17.2 46.3,17 46.3,0 46.5,-0.2 48.4,-0.2 48.7,-0.5 48.7,-4.6 48.2,-5.1 45,-5.1 44.3,-4.4 44.3,5.2 44.5,5.4 44.5,12.7 43.568,13.632 38.368,13.632 37,15
5V0 on Top Layer "5V0_L01_P007" (solid, remove dead copper, pour order 7): 36.8,11.85 36.8,14.7 36.6,14.9 34.4,14.9 34,15.3 34,16.4 33.5,16.9 30.4,16.9 30.2,16.7 30.2,14.7 30.7,14.2 30.7,12.4 31.25,11.85
5V0 on Top Layer "5V0_L01_P006" (solid, remove dead copper, pour order 6): 37.05,40.75 37.05,43.35 36.5,43.9 34.4,43.9 34,44.3 34,45.3 33.5,45.8 30.4,45.8 30.2,45.6 30.2,43.6 30.5,43.3 30.5,41 31.1,40.4 36.7,40.4
NetC7_2 on Top Layer "NETC7_2_L01_P004" (solid, remove dead copper, pour order 4): 35.1,73 34.8,73.3 34.8,74.8 35.1,75.1 37.6,75.1 39,76.5 43.1,76.5 43.9,75.7 45.9,75.7 46.6,76.4 49,76.4 49.4,76 49.4,73.7 48.1,72.4 44.2,72.4 43.1,71.3 39.3,71.3 37.6,73
5V0 on Top Layer "5V0_L01_P001" (solid, remove dead copper, pour order 1): 31.3,69.1 30.5,69.9 30.5,71.9 30,72.4 30,74.2 30.3,74.5 33.9,74.5 34.1,74.3 34.1,73.2 34.4,72.9 37.2,72.9 37.5,72.6 37.5,70.9 37.1,70.5 34.4,70.5 33,69.1
GND on Bottom Layer "NONET_L02_P005" (solid, remove dead copper, shelved, pour order 5): 4,-9 4,-8 ccw(c0,-8) 0,-4 cw(c0,0) -4,0 -4,58 cw(c0,58) 0,62 ccw(c-0.005,66.005) 4,66.01 4,75 cw(c8,75) 8,79 21,79 cw(c21,75) 25,75 25,73 ccw(c26.25,73) 27.5,73 27.5,77.5 cw(c28.5,77.5) 28.5,78.5 61.5,78.5 cw(c61.5,77.5) 62.5,77.5 62.5,52.5 cw(c61.5,52.5) 61.5,51.5 28.5,51.5 cw(c28.5,52.5) 27.5,52.5 27.5,55 ccw(c26.25,55) 25,55 25,44.5 ccw(c26.25,44.5) 27.5,44.5 27.5,48.5 cw(c28.5,48.5) 28.5,49.5 61.5,49.5 cw(c61.5,48.5) 62.5,48.5 62.5,23.5 cw(c61.5,23.5) 61.5,22.5 28.5,22.5 cw(c28.5,23.5) 27.5,23.5 27.5,26.505 ccw(c26.25,26.503) 25,26.5 25,16 ccw(c26.25,16) 27.5,16 27.5,15.985 27.5,19.5 cw(c28.5,19.5) 28.5,20.5 61.5,20.5 cw(c61.5,19.5) 62.5,19.5 62.5,-5.5 cw(c61.5,-5.5) 61.5,-6.5 28.5,-6.5 cw(c28.5,-5.5) 27.5,-5.5 27.5,-2.5 ccw(c26.25,-2.5) 25,-2.5 25,-9 cw(c21,-9) 21,-13 8,-13 cw(c8,-9)

## Silkscreen, mask and mechanical layers (free items; w line width, h text height)
Mechanical 12:
  lines w0.023: 0,62 ccw(c0,58) -4,58 -4,0 ccw(c0,0) 0,-4 cw(c0,-8) 4,-8 4,-9 ccw(c8,-9) 8,-13 21,-13 ccw(c21,-9) 25,-9 25,-2.5 cw(c26.25,-2.5) 27.5,-2.5 27.5,-5.5 ccw(c28.5,-5.5) 28.5,-6.5 61.5,-6.5 ccw(c61.5,-5.5) 62.5,-5.5 62.5,19.5 ccw(c61.5,19.5) 61.5,20.5 28.5,20.5 ccw(c28.5,19.5) 27.5,19.5 27.5,15.985 ; 0,62.01 ccw(c0,66.01) 4,66.01 4,75 cw(c8,75) 8,79 21,79 cw(c21,75) 25,75 25,73 ccw(c26.25,73) 27.5,73 27.5,77.5 cw(c28.5,77.5) 28.5,78.5 61.5,78.5 cw(c61.5,77.5) 62.5,77.5 62.5,52.5 cw(c61.5,52.5) 61.5,51.5 28.5,51.5 cw(c28.5,52.5) 27.5,52.5 27.5,55 ccw(c26.25,55) 25,55 ; 25,16 ccw(c26.25,16) 27.5,16 ; 25,26.5 cw(c26.25,26.5) 27.5,26.5 ; 25,44.5 ccw(c26.25,44.5) 27.5,44.5 27.5,48.5 cw(c28.5,48.5) 28.5,49.5 61.5,49.5 cw(c61.5,48.5) 62.5,48.5 62.5,23.5 cw(c61.5,23.5) 61.5,22.5 28.5,22.5 cw(c28.5,23.5) 27.5,23.5 27.5,26.505 ; 25,16 25,26.505 ; 25,44.5 25,55

## Text inside footprints (layer, text, board x,y; h text height)
DD1: Bottom Assembly "4" at 41.471,74.326 h1.5 r270; Bottom Assembly "1" at 35.746,76.501 h1.5 r270; Bottom Assembly "2" at 35.721,74.351 h1.5 r270; Bottom Assembly "3" at 35.696,72.051 h1.5 r270
DD2: Bottom Assembly "3" at 35.343,14.073 h1.5 r270; Bottom Assembly "2" at 35.368,16.373 h1.5 r270; Bottom Assembly "1" at 35.393,18.523 h1.5 r270; Bottom Assembly "4" at 41.118,16.348 h1.5 r270
DD3: Bottom Assembly "4" at 40.927,45.294 h1.5 r270; Bottom Assembly "1" at 35.202,47.469 h1.5 r270; Bottom Assembly "2" at 35.177,45.319 h1.5 r270; Bottom Assembly "3" at 35.152,43.019 h1.5 r270
DD4: Bottom Assembly "3" at 86.78,5.72 h1.5; Bottom Assembly "2" at 84.48,5.745 h1.5; Bottom Assembly "1" at 82.33,5.77 h1.5; Bottom Assembly "4" at 84.505,11.495 h1.5
U4: Top Overlay "E22(900M22S)" at 47.483,32.827 h0.8; Top Overlay "NSS" at 52.563,29.525 h0.65 r270; Top Overlay "SCK" at 51.293,29.525 h0.65 r270; Top Overlay "MOSI" at 50.023,30.16 h0.65 r270; Top Overlay "MISO" at 48.626,30.16 h0.65 r270; Top Overlay "NRST" at 47.356,30.16 h0.65 r270; Top Overlay "BUSY" at 46.086,30.16 h0.65 r270; Top Overlay "DIO1" at 44.882,29.872 h0.65 r270; Top Overlay "GND" at 43.673,29.525 h0.65 r270; Top Overlay "GND" at 58.026,29.541 h0.65 r270; Top Overlay "ANT" at 59.305,29.541 h0.65 r270; Top Overlay "GND" at 60.584,29.541 h0.65 r270; Top Overlay "GND" at 60.584,38.646 h0.65 r270; Top Overlay "GND" at 59.305,38.646 h0.65 r270; Top Overlay "GND" at 58.026,38.646 h0.65 r270; Top Overlay "GND" at 43.572,38.616 h0.65 r270; Top Overlay "GND" at 44.882,38.596 h0.65 r270; Top Overlay "VCC" at 46.1,38.616 h0.65 r270; Top Overlay "DIO2" at 47.378,38.616 h0.65 r270; Top Overlay "TXEN" at 48.657,38.616 h0.65 r270; Top Overlay "RXEN" at 49.936,38.616 h0.65 r270; Top Overlay "GND" at 51.215,38.616 h0.65 r270; Top Overlay "GND" at 52.494,38.616 h0.65 r270
U5: Top Overlay "RX_EN" at 56.734,2.887 h1 r270; Top Overlay "VCC" at 47.717,2.125 h1 r270; Top Overlay "GND" at 49.114,2.125 h1 r270; Top Overlay "MISO_TX" at 50.384,4.03 h1 r270; Top Overlay "MOSI_RX" at 51.654,4.03 h1 r270; Top Overlay "SCK_RTS" at 52.797,4.03 h1 r270; Top Overlay "NSS_CTS" at 54.194,4.03 h1 r270; Top Overlay "GND" at 55.464,2.125 h1 r270; Top Overlay "GND" at 55.464,12.539 h1 r270; Top Overlay "NRESET" at 54.194,12.539 h1 r270; Top Overlay "BUSY" at 52.797,12.539 h1 r270; Top Overlay "DIO1" at 51.527,12.539 h1 r270; Top Overlay "DIO2" at 50.384,12.539 h1 r270; Top Overlay "DIO3" at 48.987,12.539 h1 r270; Top Overlay "GND" at 47.717,12.539 h1 r270; Top Overlay "E28(2G4M12S)" at 59.655,11.142 h1.6 r270; Top Overlay "ANT" at 66.513,7.84 h1.6 r270; Top Overlay "TX_EN" at 56.734,12.539 h1 r270
U6: Top Overlay "GND" at 173.282,3.992 h0.65; Top Overlay "GND" at 173.282,2.713 h0.65; Top Overlay "RXEN" at 173.282,1.434 h0.65; Top Overlay "TXEN" at 173.282,0.155 h0.65; Top Overlay "DIO2" at 173.282,-1.124 h0.65; Top Overlay "VCC" at 173.282,-2.402 h0.65; Top Overlay "GND" at 173.302,-3.62 h0.65; Top Overlay "GND" at 173.282,-4.93 h0.65; Top Overlay "GND" at 173.252,9.524 h0.65; Top Overlay "GND" at 173.252,10.803 h0.65; Top Overlay "GND" at 173.252,12.082 h0.65; Top Overlay "GND" at 182.357,12.082 h0.65; Top Overlay "ANT" at 182.357,10.803 h0.65; Top Overlay "GND" at 182.357,9.524 h0.65; Top Overlay "GND" at 182.373,-4.829 h0.65; Top Overlay "DIO1" at 182.026,-3.62 h0.65; Top Overlay "BUSY" at 181.738,-2.416 h0.65; Top Overlay "NRST" at 181.738,-1.146 h0.65; Top Overlay "MISO" at 181.738,0.124 h0.65; Top Overlay "MOSI" at 181.738,1.521 h0.65; Top Overlay "SCK" at 182.373,2.791 h0.65; Top Overlay "NSS" at 182.373,4.061 h0.65; Top Overlay "E22(900M22S)" at 179.071,-1.019 h0.8 r90
X1: Bottom Assembly "1" at 21.31,58.176 h1.5 r180
X2: Bottom Assembly "1" at 21.298,29.619 h1.5 r180
X3: Bottom Assembly "1" at 21.3,1.157 h1.5 r180
X4: Bottom Assembly "1" at 31.943,58.176 h1.5 r180
X6: Bottom Assembly "1" at 32.092,29.619 h1.5 r180
X7: Bottom Assembly "1" at 32.081,0.773 h1.5 r180
X8: Bottom Assembly "1" at 165.489,11.47 h1.5